# Altium PCB PCB1.pcbdoc (part 4 of 4)
Units mm, origin at the board's own origin, x right, y up, seen from the top; angles counter-clockwise.
Board outline 94.87 x 122.94 mm, 4 copper layers (Top Layer, Inner1, Inner2, Bottom Layer); 129 components, 127 nets, 713 pads, 345 vias.
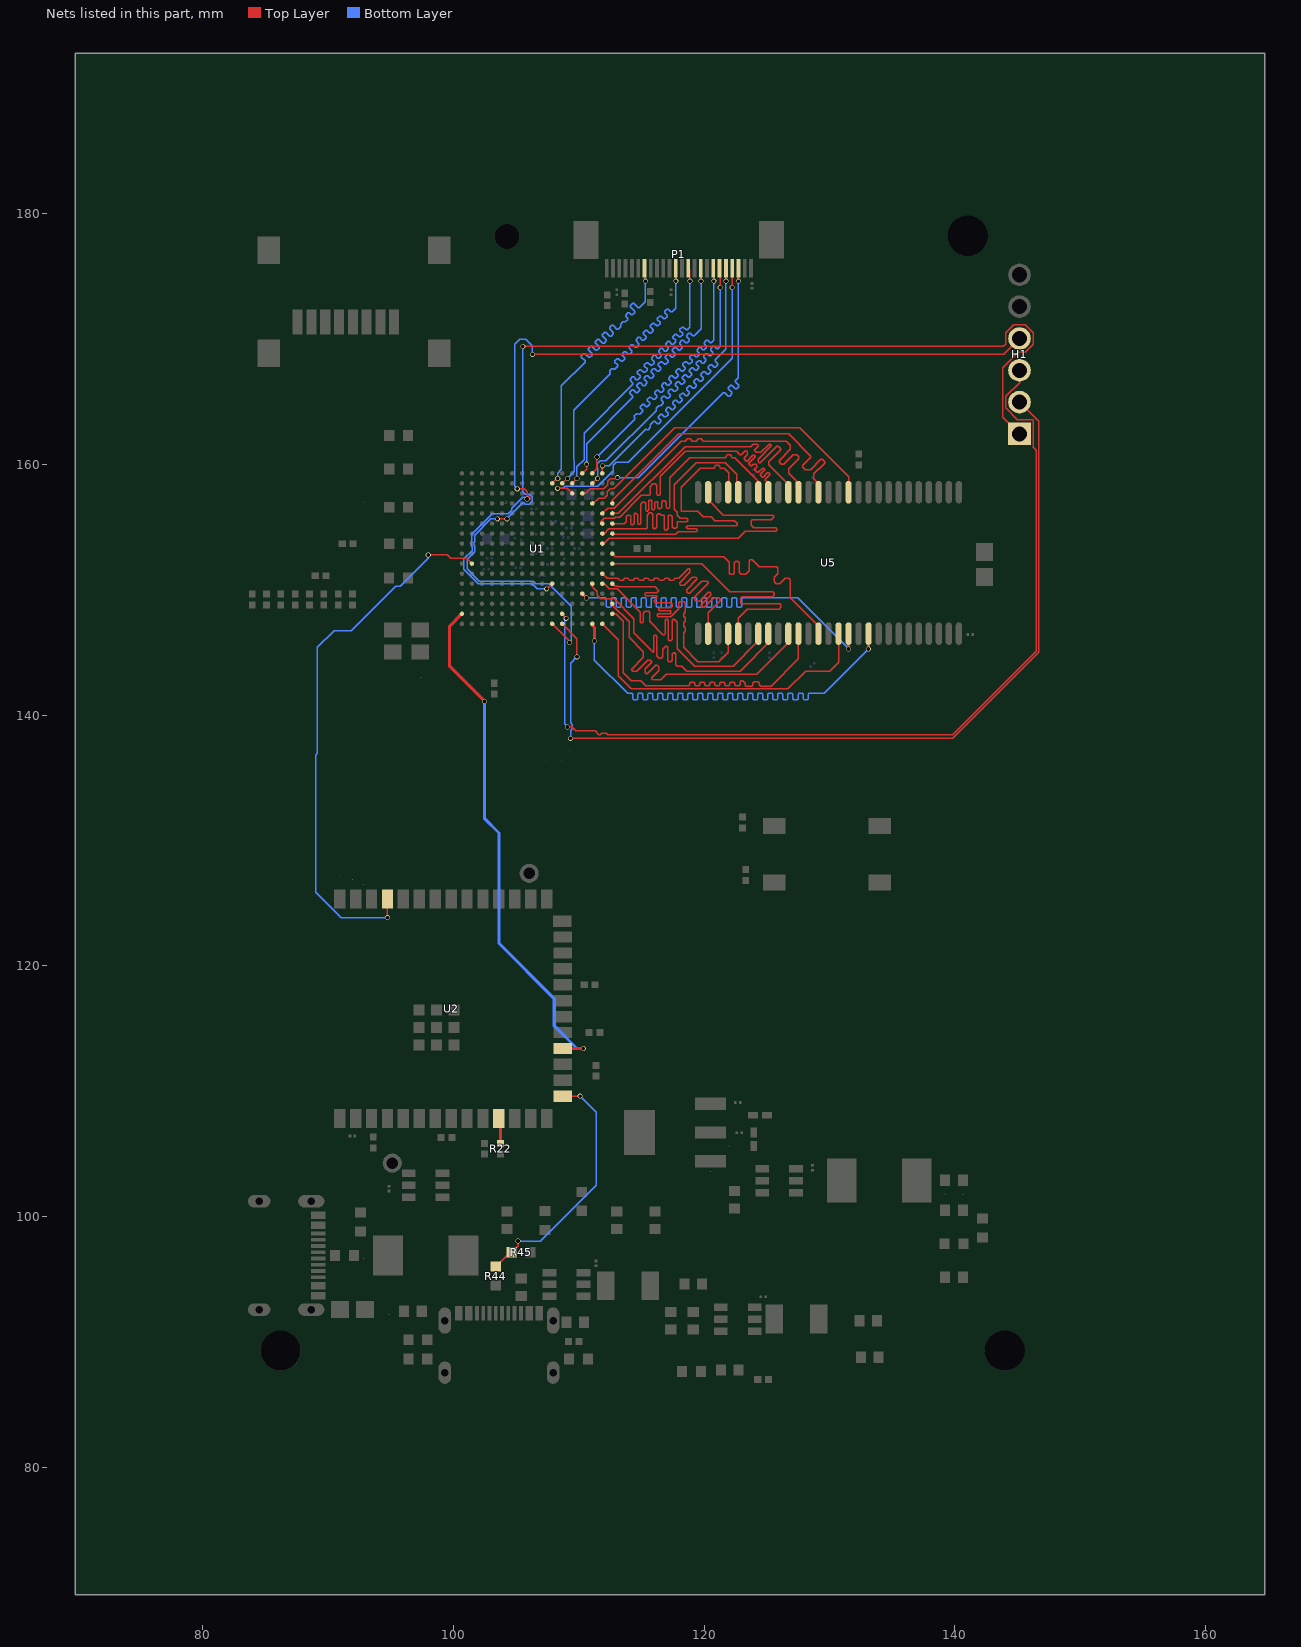
[diagram p6: the nets of this part, all layers, seen from the top]

## Via types
v1: diameter 0.4, hole 0.3, Top Layer to Bottom Layer, 308 vias
v2: diameter 1, hole 0.5, Top Layer to Bottom Layer, 35 vias
v3: diameter 0.5, hole 0.3, Top Layer to Bottom Layer, 2 vias

## Nets (pads, with @x,y where several pads share a name; then routed paths per layer and width w, separated by ;. In a path a pad name is that pad's centre, name@x,y a point inside that pad or via, vN(x,y) a via of type N, cw(c..) or ccw(c..) an arc to the next point about the centre after c; other vN are vias at no path point) (continued)
SD_DQ0: U1.L15 U5.2 | length 25
  Top Layer w0.1: U1.L15@111.88,151.289 112.262,150.907 113.129,150.907 113.2,150.836 113.2,150.82 113.27,150.749 113.529,150.749 113.6,150.82 113.6,150.836 113.67,150.907 113.929,150.907 114,150.836 114,150.82 114.07,150.749 114.329,150.749 114.4,150.82 114.4,150.836 114.47,150.907 114.729,150.907 114.8,150.836 114.8,150.82 114.87,150.749 115.129,150.749 115.2,150.82 115.2,150.836 115.27,150.907 115.529,150.907 115.6,150.836 115.6,150.82 115.67,150.749 115.929,150.749 116,150.82 116,150.836 116.07,150.907 116.329,150.907 116.4,150.836 116.4,150.82 116.47,150.749 116.729,150.749 116.8,150.82 116.8,150.836 116.87,150.907 117.129,150.907 117.2,150.836 117.2,150.82 117.27,150.749 117.529,150.749 117.6,150.82 117.6,150.836 117.67,150.907 117.97,150.907 118.731,151.667 118.843,151.667 118.872,151.638 118.872,151.384 118.049,150.561 118.049,150.429 118.11,150.368 118.411,150.368 119.046,151.003 119.355,151.003 119.426,150.932 119.426,150.832 118.618,150.024 118.618,149.86 118.745,149.733 118.836,149.733 119.795,150.693 120.25,150.693 120.321,150.622 120.321,150.528 119.253,149.46 119.253,149.225 119.38,149.098 119.634,149.098 120.34,149.804 120.452,149.804 120.523,149.733 120.523,149.581 119.761,148.819 119.761,148.717 119.888,148.59 120.015,148.59 120.777,149.352 121.175,149.352 121.295,149.231 121.295,149.131 120.321,148.157 U5.2@120.321,146.631
SD_DQ1: U1.M16 U5.4 | length 25
  Top Layer w0.1: U1.M16@112.68,150.489 112.896,150.273 113.157,150.273 113.195,150.235 116.084,150.235 116.385,149.934 116.214,149.762 115.316,149.762 115.245,149.691 115.245,149.591 115.316,149.521 116.163,149.521 116.205,149.479 116.205,149.34 116.007,149.143 116.007,149.043 116.078,148.972 117.347,148.972 117.454,148.865 117.454,148.696 117.327,148.569 116.459,148.569 116.394,148.504 116.394,148.412 116.459,148.348 117.347,148.348 117.347,148.114 117.33,148.096 116.332,148.096 116.261,148.026 116.261,147.926 116.332,147.855 117.347,147.855 117.983,148.491 117.983,148.971 118.054,149.042 118.42,149.042 118.491,148.971 118.491,148.209 118.364,148.082 118.364,147.878 118.484,147.758 118.484,147.478 118.364,147.358 118.364,147.078 118.484,146.958 118.484,146.678 118.364,146.558 118.364,145.415 119.507,144.272 121.158,144.272 121.921,145.035 U5.4@121.921,146.631
SD_DQ2: U1.K16 U5.5 | length 25.6
  Top Layer w0.1: U1.K16@112.68,152.089 119.818,152.089 122.047,149.86 125.476,149.86 125.603,149.733 125.603,149.606 125.46,149.463 123.028,149.463 122.918,149.352 122.918,148.948 122.978,148.888 126.04,148.888 126.111,148.817 126.111,148.59 125.985,148.464 123.445,148.464 122.704,147.723 122.704,146.902 122.721,146.885 U5.5@122.721,146.631
SD_DQ3: U1.M15 U5.7 | length 24.8
  Top Layer w0.1: U1.M15@111.88,150.489 111.96,150.489 111.974,150.474 112.022,150.474 112.425,150.071 113.073,150.071 114.92,148.224 114.92,147.447 114.99,147.376 115.09,147.376 115.161,147.447 115.161,148.124 115.316,148.279 115.57,148.279 115.67,148.179 115.67,147.474 116.713,146.431 116.84,146.431 116.898,146.489 116.898,147.574 116.969,147.645 117.069,147.645 117.139,147.574 117.139,146.005 117.221,145.923 117.348,145.923 117.472,146.047 117.472,147.574 117.531,147.633 117.614,147.633 117.836,147.411 117.836,145.308 119.253,143.891 122.306,143.891 124.177,145.762 124.177,146.36 124.194,146.377 124.194,146.504 U5.7@124.321,146.631
SD_DQ4: U1.M14 U5.8 | length 25.8
  Top Layer w0.1: U1.M14@111.08,150.489 111.08,150.229 111.462,149.847 111.462,149.567 111.758,149.271 112.838,149.271 114.4,147.709 114.4,146.558 115.958,145 115.99,145.032 115.99,146.304 116.061,146.375 116.161,146.375 116.231,146.304 116.231,144.727 116.432,144.526 116.586,144.526 116.705,144.645 116.705,145.267 116.923,145.486 117.023,145.486 117.094,145.415 117.094,144.372 117.194,144.272 117.348,144.272 117.44,144.364 117.44,144.86 117.558,144.978 117.658,144.978 117.729,144.907 117.729,144.04 117.856,143.913 118.196,143.913 118.599,143.51 122.87,143.51 125.278,145.918 125.278,146.474 U5.8@125.121,146.631
SD_DQ5: U1.P16 U5.10 | length 25.6
  Top Layer w0.1: U1.P16@112.68,148.889 112.68,148.78 114.025,147.435 114.025,146.198 115.159,145.064 115.159,144.61 114.229,143.681 114.229,143.581 114.3,143.51 114.62,143.51 115.509,144.399 115.697,144.399 115.824,144.272 115.824,144.206 115.303,143.686 115.303,143.37 115.374,143.3 115.474,143.3 116.199,144.024 116.368,143.855 116.368,143.533 115.817,142.982 115.817,142.882 115.888,142.811 116.522,142.811 116.967,143.256 124.198,143.256 126.721,145.779 U5.10@126.721,146.631
SD_DQ6: U1.R16 U5.11 | length 25.2
  Top Layer w0.1: U1.R16@112.68,148.089 112.944,148.089 113.538,147.495 113.538,143.383 114.169,142.752 114.931,142.752 115.332,142.351 118.774,142.351 118.844,142.422 118.844,142.55 118.915,142.621 119.174,142.621 119.244,142.55 119.244,142.422 119.315,142.351 119.574,142.351 119.644,142.422 119.644,142.55 119.715,142.621 119.974,142.621 120.044,142.55 120.044,142.422 120.115,142.351 120.374,142.351 120.444,142.422 120.444,142.55 120.515,142.621 120.774,142.621 120.844,142.55 120.844,142.422 120.915,142.351 121.174,142.351 121.244,142.422 121.244,142.55 121.315,142.621 121.574,142.621 121.644,142.55 121.644,142.422 121.715,142.351 121.974,142.351 122.044,142.422 122.044,142.55 122.115,142.621 122.374,142.621 122.444,142.55 122.444,142.422 122.515,142.351 122.792,142.351 122.892,142.451 122.892,142.677 122.963,142.748 123.063,142.748 123.269,142.542 123.269,142.291 123.781,142.291 123.881,142.391 123.881,142.55 124.008,142.677 124.333,142.677 124.404,142.607 124.404,142.421 124.504,142.321 125.335,142.321 127.508,144.494 U5.11@127.508,146.126
SD_DQ7: U1.J16 U5.13 | length 25.2
  Top Layer w0.1: U1.J16@112.68,152.889 112.915,152.654 121.567,152.654 122.003,152.217 122.003,151.315 122.074,151.244 122.315,151.244 122.415,151.344 122.415,152.146 122.552,152.282 122.673,152.282 122.811,152.144 122.811,151.409 122.976,151.244 123.304,151.244 123.587,151.527 123.587,152.289 123.698,152.4 123.841,152.4 124.409,151.832 124.413,151.836 125.786,151.836 125.857,151.765 125.857,151.266 125.603,151.012 125.603,150.638 125.746,150.495 126.043,150.495 126.478,150.931 126.746,150.931 126.875,150.801 126.875,149.367 ; 126.875,149.366 129.121,147.12 U5.13@129.121,146.631
SD_DQ8: U1.D16 U5.42 | length 25.2
  Top Layer w0.1: U1.D16@112.68,156.889 112.68,157.143 117.97,162.433 126.746,162.433 128.524,160.655 128.524,160.574 127.868,159.918 127.868,159.766 128.056,159.578 128.49,159.578 129.313,160.401 129.413,160.401 129.611,160.203 129.611,160.091 129.54,160.02 129.534,160.02 128.757,159.243 128.757,158.877 128.994,158.64 128.994,158.042 U5.42@129.121,157.915
SD_DQ9: U1.E15 U5.44 | length 25
  Top Layer w0.1: U1.E15@111.88,156.089 112.298,156.507 112.838,156.507 118.193,161.862 118.493,161.862 118.563,161.932 118.563,161.981 118.634,162.052 118.893,162.052 118.963,161.981 118.963,161.932 119.034,161.862 119.379,161.862 119.45,161.932 119.45,161.981 119.521,162.052 119.779,162.052 119.85,161.981 119.85,161.932 119.921,161.862 126.555,161.862 126.873,161.544 126.873,161.205 125.984,160.316 125.984,160.208 126.172,160.02 126.365,160.02 127.127,160.782 127.381,160.782 127.55,160.613 127.55,160.471 126.746,159.667 126.746,159.288 127.33,158.704 127.33,158.106 U5.44@127.521,157.915
SD_DQ10: U1.E16 U5.45 | length 25
  Top Layer w0.1: U1.E16@112.68,156.089 113.163,156.089 118.491,161.417 123.708,161.417 123.906,161.615 124.262,161.615 124.333,161.544 124.333,161.458 124,161.125 124.158,160.967 124.531,160.967 125.178,161.615 125.278,161.615 125.349,161.544 125.349,161.477 124.303,160.431 124.303,160.204 124.374,160.133 124.474,160.133 125.807,161.467 125.907,161.467 126.111,161.263 126.111,161.163 125.15,160.202 125.15,159.975 126.373,158.752 126.373,158.747 126.507,158.613 126.507,158.015 126.607,157.915 U5.45@126.721,157.915
SD_DQ11: U1.F15 U5.47 | length 25.1
  Top Layer w0.1: U1.F15@111.88,155.289 111.753,155.416 111.753,155.441 112.019,155.707 112.838,155.707 112.929,155.798 113.253,155.798 114.991,157.536 115.626,157.536 115.697,157.607 115.697,158.242 115.9,158.445 116.105,158.445 116.205,158.345 116.205,157.607 116.276,157.536 116.425,157.536 116.496,157.607 116.496,159.041 118.491,161.036 122.598,161.036 122.858,160.776 122.943,160.776 123.273,161.107 123.373,161.107 123.444,161.036 123.444,160.782 123.19,160.528 123.19,160.444 123.376,160.259 123.429,160.259 123.896,160.726 124.008,160.726 124.079,160.655 124.079,160.61 123.571,160.102 123.571,160.063 123.771,159.864 123.927,160.02 124.143,160.02 124.206,159.957 124.206,159.797 124.048,159.639 124.048,159.586 124.249,159.385 124.333,159.385 124.658,159.71 124.77,159.71 124.841,159.639 124.841,159.59 124.46,159.209 124.46,159.174 124.655,158.979 124.702,158.979 125.051,159.329 125.151,159.329 125.222,159.258 125.222,159.16 124.884,158.822 124.884,158.75 125.121,158.513 U5.47@125.121,157.915
SD_DQ12: U1.F16 U5.48 | length 25.1
  Top Layer w0.1: U1.F16@112.68,155.289 113.633,155.289 113.792,155.448 113.792,155.829 113.919,155.956 114.086,155.956 114.129,155.912 114.129,155.265 114.2,155.194 114.3,155.194 114.408,155.302 114.408,156.064 114.466,156.122 114.554,156.122 114.689,155.987 114.689,155.325 114.764,155.25 114.864,155.25 114.935,155.321 114.935,156.845 115.062,156.972 115.248,156.972 115.329,156.892 115.329,156.337 115.399,156.266 115.468,156.266 115.57,156.369 115.57,157.094 115.633,157.157 115.766,157.157 115.837,157.086 115.837,156.464 115.907,156.393 116.007,156.393 116.078,156.464 116.078,156.972 116.142,157.036 116.268,157.036 116.303,157.001 116.303,156.52 116.374,156.449 116.474,156.449 116.615,156.591 116.615,157.001 116.713,157.099 116.84,157.099 116.967,156.972 116.967,156.591 117.038,156.52 117.206,156.52 117.277,156.591 117.277,158.933 118.872,160.528 121.681,160.528 121.751,160.599 121.751,160.711 121.822,160.782 122.081,160.782 122.151,160.711 122.151,160.599 122.222,160.528 122.428,160.528 124.263,158.693 124.263,158.015 124.321,157.957 U5.48@124.321,157.915
SD_DQ13: U1.G15 U5.50 | length 25.1
  Top Layer w0.1: U1.G15@111.88,154.489 112.021,154.489 112.403,154.871 115.374,154.871 115.443,154.94 115.443,155.956 115.626,156.139 115.768,156.139 115.895,156.012 115.895,154.94 115.965,154.869 116.065,154.869 116.205,155.009 116.205,155.956 116.332,156.083 116.459,156.083 116.586,155.956 116.802,155.956 116.802,154.813 116.873,154.742 116.973,154.742 117.132,154.902 117.132,155.899 117.189,155.956 117.348,155.956 117.475,155.829 117.475,155.013 117.575,154.913 117.756,154.913 117.856,155.013 117.856,155.406 117.898,155.448 118.618,155.448 118.689,155.519 118.689,155.619 118.61,155.697 118.115,155.697 117.856,155.956 117.856,156.197 117.614,156.44 117.614,158.387 119.374,160.147 121.666,160.147 122.603,159.21 122.603,158.034 U5.50@122.721,157.915
SD_DQ14: U1.G16 U5.51 | length 25
  Top Layer w0.1: U1.G16@112.68,154.489 112.743,154.425 117.722,154.425 117.916,154.619 119.38,154.619 119.451,154.69 119.451,154.79 119.38,154.86 118.698,154.86 118.585,154.973 118.585,155.034 118.68,155.129 122.555,155.129 122.626,155.199 122.626,155.299 122.406,155.519 120.86,155.519 120.55,155.829 119.926,155.829 119.507,156.248 118.157,156.248 118.157,158.162 119.697,159.702 120.761,159.702 120.832,159.773 120.832,159.847 120.902,159.918 121.161,159.918 121.232,159.847 121.232,159.773 121.303,159.702 121.602,159.702 121.967,159.338 121.967,158.25 U5.51@121.985,158.233
SD_DQ15: U1.H15 U5.53 | length 25.3
  Top Layer w0.1: U1.H15@111.88,153.689 112.007,153.689 112.425,154.107 122.711,154.107 123.268,154.664 125.696,154.664 125.801,154.769 125.801,154.869 125.73,154.94 123.952,154.94 123.754,155.138 123.754,155.504 123.825,155.575 125.336,155.575 125.547,155.785 125.547,155.885 125.476,155.956 121.539,155.956 120.448,157.047 U5.53@120.448,157.788
SD_DQM0: U1.T15 U5.15 | length 25.8
  Top Layer w0.1: U1.T15@111.88,147.289 113.157,146.012 113.157,143.129 114.195,142.091 126.69,142.091 128.109,143.51 130.008,143.51 130.721,144.223 U5.15@130.721,146.504
SD_DQM1: U1.D14 U5.39 | length 25.9
  Top Layer w0.1: U1.D14@111.08,156.889 111.169,156.889 111.587,157.307 112.038,157.307 112.262,157.531 112.262,157.811 112.522,158.071 112.802,158.071 117.672,162.941 127.619,162.941 131.53,159.031 131.53,158.042 U5.39@131.403,157.915
SD_RAS_N: U1.T14 U5.18 | length 43.8
  Top Layer w0.254: U1.T14@111.125,147.123 111.252,146.996 v1(111.252,145.923) ; v1(133.096,145.288) 133.121,145.313 U5.18@133.121,146.504
  Bottom Layer w0.1: v1(111.252,145.923) 111.252,144.399 113.919,141.732 114.219,141.732 114.29,141.661 114.29,141.295 114.36,141.224 114.619,141.224 114.69,141.295 114.69,141.661 114.76,141.732 115.019,141.732 115.09,141.661 115.09,141.295 115.16,141.224 115.419,141.224 115.49,141.295 115.49,141.661 115.56,141.732 115.819,141.732 115.89,141.661 115.89,141.295 115.96,141.224 116.219,141.224 116.29,141.295 116.29,141.661 116.36,141.732 116.619,141.732 116.69,141.661 116.69,141.295 116.76,141.224 117.019,141.224 117.09,141.295 117.09,141.661 117.16,141.732 117.419,141.732 117.49,141.661 117.49,141.295 117.56,141.224 117.819,141.224 117.89,141.295 117.89,141.661 117.96,141.732 118.219,141.732 118.29,141.661 118.29,141.295 118.36,141.224 118.619,141.224 118.69,141.295 118.69,141.661 118.76,141.732 119.019,141.732 119.09,141.661 119.09,141.295 119.16,141.224 119.419,141.224 119.49,141.295 119.49,141.661 119.56,141.732 119.819,141.732 119.89,141.661 119.89,141.295 119.96,141.224 120.219,141.224 120.29,141.295 120.29,141.661 120.36,141.732 120.619,141.732 120.69,141.661 120.69,141.295 120.76,141.224 121.019,141.224 121.09,141.295 121.09,141.661 121.16,141.732 121.419,141.732 121.49,141.661 121.49,141.295 121.56,141.224 121.819,141.224 121.89,141.295 121.89,141.661 121.96,141.732 122.219,141.732 122.29,141.661 122.29,141.295 122.36,141.224 122.619,141.224 122.69,141.295 122.69,141.661 122.76,141.732 123.019,141.732 123.09,141.661 123.09,141.295 123.16,141.224 123.419,141.224 123.49,141.295 123.49,141.661 123.56,141.732 123.819,141.732 123.89,141.661 123.89,141.295 123.96,141.224 124.219,141.224 124.29,141.295 124.29,141.661 124.36,141.732 124.619,141.732 124.69,141.661 124.69,141.295 124.76,141.224 125.019,141.224 125.09,141.295 125.09,141.661 125.16,141.732 125.419,141.732 125.49,141.661 125.49,141.295 125.56,141.224 125.819,141.224 125.89,141.295 125.89,141.661 125.96,141.732 126.219,141.732 126.29,141.661 126.29,141.295 126.36,141.224 126.619,141.224 126.69,141.295 126.69,141.661 126.76,141.732 127.019,141.732 127.09,141.661 127.09,141.295 127.16,141.224 127.419,141.224 127.49,141.295 127.49,141.661 127.56,141.732 127.819,141.732 127.89,141.661 127.89,141.295 127.96,141.224 128.219,141.224 128.29,141.295 128.29,141.661 128.36,141.732 129.588,141.732 133.096,145.24 v1(133.096,145.288)
SD_WE_N: U1.N13 U5.16 | length 43.3
  Top Layer w0.254: U1.N13@110.28,149.689 v1(110.617,149.352) ; v1(131.521,145.288) U5.16@131.521,146.504
  Bottom Layer w0.1: v1(110.617,149.352) 112.125,149.352 112.196,149.281 112.196,148.661 112.267,148.59 112.525,148.59 112.596,148.661 112.596,149.281 112.667,149.352 112.925,149.352 112.996,149.281 112.996,148.661 113.067,148.59 113.325,148.59 113.396,148.661 113.396,149.281 113.467,149.352 113.725,149.352 113.796,149.281 113.796,148.661 113.867,148.59 114.125,148.59 114.196,148.661 114.196,149.281 114.267,149.352 114.525,149.352 114.596,149.281 114.596,148.661 114.667,148.59 114.925,148.59 114.996,148.661 114.996,149.281 115.067,149.352 115.325,149.352 115.396,149.281 115.396,148.661 115.467,148.59 115.725,148.59 115.796,148.661 115.796,149.281 115.867,149.352 116.125,149.352 116.196,149.281 116.196,148.661 116.267,148.59 116.525,148.59 116.596,148.661 116.596,149.281 116.667,149.352 116.925,149.352 116.996,149.281 116.996,148.661 117.067,148.59 117.325,148.59 117.396,148.661 117.396,149.281 117.467,149.352 117.725,149.352 117.796,149.281 117.796,148.661 117.867,148.59 118.125,148.59 118.196,148.661 118.196,149.281 118.267,149.352 118.525,149.352 118.596,149.281 118.596,148.661 118.667,148.59 118.925,148.59 118.996,148.661 118.996,149.281 119.067,149.352 119.325,149.352 119.396,149.281 119.396,148.661 119.467,148.59 119.725,148.59 119.796,148.661 119.796,149.281 119.867,149.352 120.125,149.352 120.196,149.281 120.196,148.661 120.267,148.59 120.525,148.59 120.596,148.661 120.596,149.281 120.667,149.352 120.925,149.352 120.996,149.281 120.996,148.661 121.067,148.59 121.325,148.59 121.396,148.661 121.396,149.281 121.467,149.352 121.725,149.352 121.796,149.281 121.796,148.661 121.867,148.59 122.125,148.59 122.196,148.661 122.196,149.281 122.267,149.352 122.525,149.352 122.596,149.281 122.596,148.661 122.667,148.59 122.925,148.59 122.996,148.661 122.996,149.281 123.067,149.352 127.457,149.352 v1(131.521,145.288)
SDA: R22.1 U2.11 | length 1.9
  Top Layer w0.254: R22.1@103.754,105.918 U2.11@103.754,107.836
SSPI_CS_N: U1.R1 U2.18 | length 41.3
  Top Layer w0.254: U1.R1@100.68,148.089 99.695,147.104 99.695,143.891 v1(102.489,141.097) ; U2.18@108.844,113.411 v1(110.363,113.411)
  Bottom Layer w0.254: v1(102.489,141.097) 102.489,131.743 103.632,130.6 103.632,121.793 108.05,117.375 108.05,115.216 109.855,113.411 v1(110.363,113.411)
TCK: H1.1 U1.T10 | length 88.4
  Top Layer w0.1: v1(103.501,155.661) 103.712,155.661 103.722,155.671 104.038,155.671 104.048,155.661 104.226,155.661 v1@104.267,155.702 ; v1(105.537,169.418) 143.875,169.418 144.059,169.602 144.059,170.509 144.705,171.155 145.617,171.155 146.263,170.509 146.263,169.597 145.617,168.951 145.041,168.951 143.808,167.719 143.808,163.786 H1.1@145.161,162.433 ; U1.T10@107.88,147.289 109.264,145.905 v1(109.264,145.796)
  Bottom Layer w0.1: v1(103.501,155.661) 102.985,155.661 101.682,154.358 101.682,153.802 101.633,153.752 101.633,153.6 101.694,153.538 101.694,153.04 101.092,152.438 101.092,151.667 102.064,150.695 106.363,150.695 106.576,150.481 107.609,150.481 109.395,148.695 109.395,145.927 v1(109.264,145.796) ; v1(104.267,155.661) 105.537,156.931 105.622,156.931 105.714,156.839 106.047,156.839 106.282,157.075 106.282,157.408 106.047,157.643 105.714,157.643 105.537,157.82 v1(105.537,169.418)
TDI: H1.3 U1.R11 | length 74.5
  Top Layer w0.1: U1.R11@108.68,148.089 108.68,148.041 v1(108.993,147.728) ; v1(109.093,139.065) 109.421,139.065 109.748,138.738 111.298,138.738 111.606,138.43 111.72,138.43 111.847,138.557 112.181,138.557 112.308,138.43 139.827,138.43 146.485,145.088 146.485,161.153 146.272,161.366 146.272,163.579 144.996,163.579 144.059,164.517 144.059,165.429 145.161,166.531 H1.3@145.161,167.513
  Bottom Layer w0.1: v1(108.993,147.728) 108.862,147.597 108.862,139.296 v1(109.093,139.065)
TDO: H1.4 U1.M10 | length 72.1
  Top Layer w0.1: v1(105.092,158.054) 105.304,158.054 105.322,158.071 105.638,158.071 105.898,157.811 105.898,157.531 106.122,157.307 106.122,157.271 106.092,157.241 v1(105.88,157.241) ; v1(106.299,168.783) 143.891,168.783 H1.4@145.161,170.053 ; v1(107.442,150.079) 107.47,150.079 U1.M10@107.88,150.489
  Bottom Layer w0.1: v1(105.092,158.054) 104.881,158.265 104.881,169.601 105.281,170.001 105.762,170.001 106.299,169.464 v1(106.299,168.783) ; v1(105.88,157.241) 105.753,157.368 105.524,157.368 104.669,156.514 104.669,156.357 104.375,156.063 103.104,156.063 101.482,154.441 101.482,153.884 101.433,153.835 101.433,153.517 101.494,153.456 101.494,153.122 100.838,152.466 100.838,151.638 101.981,150.495 106.28,150.495 106.695,150.079 v1(107.442,150.079)
TMS: H1.2 U1.T11 | length 70.7
  Top Layer w0.1: U1.T11@108.68,147.289 109.855,146.114 v1(109.855,144.653) ; v1(109.347,138.155) 139.835,138.155 146.685,145.005 146.685,163.449 H1.2@145.161,164.973
  Bottom Layer w0.1: v1(109.347,138.155) 109.347,138.75 109.495,138.898 109.495,139.232 109.347,139.38 109.347,144.145 v1(109.855,144.653)
TX: U1.K2 U2.37 | length 43.6
  Top Layer w0.1: v1@94.737,123.825 U2.37@94.737,125.336 ; v1@97.917,152.781 99.507,152.781 99.782,152.506 101.061,152.506 ; 101.062,152.507 U1.K2@101.48,152.089
  Bottom Layer w0.1: v1(94.737,123.846) 91.038,123.846 89.004,125.88 89.004,136.809 89.154,136.959 89.154,145.415 90.478,146.739 91.85,146.739 95.385,150.274 95.753,150.274 97.992,152.513 v1(97.992,152.781)
USB_VBUS: R44.1 R45.2 U2.15 | length 19.9
  Top Layer w0.1: R44.1@103.378,96.003 104.53,97.155 R45.2@104.657,97.155 105.156,97.654 v1(105.156,98.044) ; U2.15@108.717,109.601 v1(110.109,109.601)
  Bottom Layer w0.1: v1(105.156,98.044) 106.934,98.044 111.379,102.489 111.379,108.331 v1(110.109,109.601)
VSYNC: P1.7 U1.B10 | length 27.1
  Top Layer w0.1: U1.B10@107.88,158.489 108.276,158.885 v1(108.323,158.885) ; P1.7@115.237,175.655 115.316,175.577 v1(115.316,174.625)
  Bottom Layer w0.1: v1(108.323,158.885) 108.323,159.317 108.606,159.599 108.606,166.264 110.501,168.159 110.501,168.259 110.192,168.568 110.192,168.668 110.375,168.851 110.475,168.851 110.784,168.542 110.884,168.542 111.067,168.725 111.067,168.825 110.758,169.134 110.758,169.234 110.94,169.417 111.04,169.417 111.35,169.108 111.45,169.108 111.632,169.29 111.632,169.39 111.323,169.7 111.323,169.8 111.506,169.982 111.606,169.982 111.915,169.673 112.015,169.673 112.198,169.856 112.198,169.956 111.889,170.265 111.889,170.365 112.072,170.548 112.172,170.548 112.481,170.239 112.581,170.239 112.764,170.422 112.764,170.522 112.455,170.831 112.455,170.931 112.638,171.114 112.738,171.114 113.047,170.805 113.147,170.805 113.333,170.991 113.333,171.184 113.52,171.37 113.712,171.37 113.895,171.553 113.895,171.653 113.729,171.819 113.729,171.919 113.912,172.102 114.012,172.102 114.178,171.936 114.278,171.936 114.461,172.119 114.461,172.219 114.116,172.563 114.116,172.663 114.299,172.846 114.399,172.846 114.744,172.502 114.844,172.502 115.316,172.974 v1(115.316,174.625)
Y2: P1.19 U1.B14 | length 27
  Top Layer w0.1: U1.B14@111.08,158.489 111.468,158.877 v1(111.506,158.877) ; P1.19@121.237,175.655 121.285,175.607 v1(121.285,174.117)
  Bottom Layer w0.1: v1(111.506,158.877) 111.506,159.705 111.485,159.726 111.485,160.06 111.72,160.295 112.162,160.295 116.166,164.299 116.166,164.465 116.367,164.665 116.532,164.665 116.748,164.881 116.748,164.981 116.56,165.169 116.56,165.269 116.742,165.451 116.842,165.451 117.03,165.263 117.13,165.263 117.313,165.446 117.313,165.546 117.125,165.734 117.125,165.834 117.308,166.017 117.408,166.017 117.596,165.829 117.696,165.829 117.879,166.012 117.879,166.112 117.691,166.3 117.691,166.4 117.874,166.583 117.974,166.583 118.162,166.395 118.262,166.395 118.445,166.578 118.445,166.678 118.257,166.866 118.257,166.966 118.44,167.148 118.54,167.148 118.728,166.961 118.828,166.961 119.01,167.143 119.01,167.243 118.822,167.431 118.822,167.531 119.005,167.714 119.105,167.714 119.293,167.526 119.393,167.526 119.576,167.709 119.576,167.809 119.388,167.997 119.388,168.097 119.571,168.28 119.671,168.28 119.859,168.092 119.959,168.092 120.142,168.275 120.142,168.375 119.954,168.563 119.954,168.663 120.137,168.846 120.237,168.846 120.425,168.658 120.525,168.658 120.707,168.84 120.707,168.94 120.519,169.128 120.519,169.228 120.702,169.411 120.802,169.411 120.99,169.223 121.09,169.223 121.285,169.418 v1(121.285,174.117)
Y3: P1.21 U1.C12 | length 27
  Top Layer w0.1: v1(108.317,158.1) 109.069,158.1 U1.C12@109.48,157.689 ; v1(122.239,174.117) P1.21@122.239,175.652
  Bottom Layer w0.1: v1(108.317,158.1) 108.766,158.1 108.925,158.259 111.523,158.259 112.755,159.491 112.755,159.933 112.99,160.168 113.94,160.168 122.239,168.467 v1(122.239,174.117)
Y4: P1.22 U1.C13 | length 27
  Top Layer w0.1: U1.C13@110.28,157.689 110.54,157.689 110.922,158.071 112.002,158.071 112.298,158.367 112.298,158.647 112.522,158.871 113.014,158.871 v1(113.089,158.945) ; v1(122.739,174.625) P1.22@122.739,175.652
  Bottom Layer w0.1: v1(113.089,158.945) 114.749,158.945 121.544,165.74 121.644,165.74 121.925,165.459 122.025,165.459 122.208,165.642 122.208,165.742 121.927,166.023 121.927,166.123 122.11,166.306 122.21,166.306 122.491,166.025 122.591,166.025 122.774,166.208 122.774,166.308 122.493,166.589 122.493,166.689 122.739,166.935 v1(122.739,174.625)
Y5: P1.20 U1.A15 | length 27
  Top Layer w0.1: U1.A15@111.88,159.289 111.887,159.296 v1(111.887,159.893) ; v1(121.739,174.625) P1.20@121.739,175.652
  Bottom Layer w0.1: v1(111.887,159.893) 112.433,159.893 115.33,162.791 115.43,162.791 115.438,162.782 115.538,162.782 115.721,162.965 115.721,163.065 115.713,163.074 115.713,163.174 115.973,163.434 116.073,163.434 116.272,163.235 116.372,163.235 116.555,163.418 116.555,163.518 116.356,163.717 116.356,163.817 116.539,163.999 116.639,163.999 116.838,163.801 116.938,163.801 117.121,163.984 117.121,164.084 116.922,164.282 116.922,164.382 117.105,164.565 117.205,164.565 117.403,164.366 117.503,164.366 117.686,164.549 117.686,164.649 117.488,164.848 117.488,164.948 117.67,165.131 117.77,165.131 117.969,164.932 118.069,164.932 118.252,165.115 118.252,165.215 118.053,165.414 118.053,165.514 118.236,165.696 118.336,165.696 118.535,165.498 118.635,165.498 118.818,165.681 118.818,165.781 118.619,165.979 118.619,166.079 118.802,166.262 118.902,166.262 119.1,166.063 119.2,166.063 119.383,166.246 119.383,166.346 119.185,166.545 119.185,166.645 119.367,166.828 119.467,166.828 119.666,166.629 119.766,166.629 119.949,166.812 119.949,166.912 119.75,167.111 119.75,167.211 119.933,167.393 120.033,167.393 120.232,167.195 120.332,167.195 120.515,167.378 120.515,167.478 120.316,167.676 120.316,167.776 120.499,167.959 120.599,167.959 120.797,167.76 120.897,167.76 121.08,167.943 121.08,168.043 120.882,168.242 120.882,168.342 121.739,169.199 v1(121.739,174.625)
Y6: P1.18 U1.A14 | length 27.1
  Top Layer w0.1: U1.A14@111.08,159.289 111.445,159.654 v1(111.445,160.589) ; P1.18@120.737,175.655 120.777,175.615 v1(120.777,174.625)
  Bottom Layer w0.1: v1(111.445,160.589) 114.484,163.627 114.484,163.727 114.438,163.772 114.438,163.872 114.621,164.055 114.721,164.055 114.767,164.01 114.867,164.01 115.096,164.239 115.096,164.339 114.91,164.524 114.91,164.624 115.093,164.807 115.193,164.807 115.378,164.621 115.478,164.621 115.661,164.804 115.661,164.904 115.476,165.09 115.476,165.19 115.659,165.372 115.759,165.372 115.944,165.187 116.044,165.187 116.227,165.37 116.227,165.47 116.042,165.655 116.042,165.755 116.224,165.938 116.324,165.938 116.51,165.753 116.61,165.753 116.793,165.936 116.793,166.036 116.607,166.221 116.607,166.321 116.79,166.504 116.89,166.504 117.075,166.318 117.175,166.318 117.358,166.501 117.358,166.601 117.173,166.787 117.173,166.887 117.356,167.07 117.456,167.07 117.641,166.884 117.741,166.884 117.924,167.067 117.924,167.167 117.739,167.352 117.739,167.452 117.921,167.635 118.021,167.635 118.207,167.45 118.307,167.45 118.49,167.633 118.49,167.733 118.304,167.918 118.304,168.018 118.487,168.201 118.587,168.201 118.772,168.016 118.872,168.016 119.055,168.198 119.055,168.298 118.87,168.484 118.87,168.584 119.053,168.767 119.153,168.767 119.338,168.581 119.438,168.581 119.621,168.764 119.621,168.864 119.436,169.049 119.436,169.149 119.619,169.332 119.719,169.332 119.904,169.147 120.004,169.147 120.187,169.33 120.187,169.43 120.001,169.615 120.001,169.715 120.184,169.898 120.284,169.898 120.47,169.713 120.57,169.713 120.777,169.92 v1(120.777,174.625)
Y7: P1.16 U1.A13 | length 26.9
  Top Layer w0.1: U1.A13@110.28,159.289 110.617,159.626 v1(110.617,160.02) ; P1.16@119.737,175.654 119.761,175.63 v1(119.761,174.625)
  Bottom Layer w0.1: v1(110.617,160.02) 110.617,161.671 114.295,165.349 114.295,165.449 114.078,165.667 114.078,165.767 114.26,165.949 114.36,165.949 114.578,165.732 114.678,165.732 114.861,165.915 114.861,166.015 114.643,166.232 114.643,166.332 114.826,166.515 114.926,166.515 115.144,166.298 115.244,166.298 115.426,166.48 115.426,166.58 115.209,166.798 115.209,166.898 115.392,167.081 115.492,167.081 115.709,166.863 115.809,166.863 115.992,167.046 115.992,167.146 115.775,167.364 115.775,167.464 115.957,167.646 116.057,167.646 116.275,167.429 116.375,167.429 116.558,167.612 116.558,167.712 116.34,167.929 116.34,168.029 116.523,168.212 116.623,168.212 116.841,167.995 116.941,167.995 117.123,168.177 117.123,168.277 116.906,168.495 116.906,168.595 117.089,168.778 117.189,168.778 117.406,168.56 117.506,168.56 117.689,168.743 117.689,168.843 117.472,169.061 117.472,169.161 117.654,169.343 117.754,169.343 117.972,169.126 118.072,169.126 118.255,169.309 118.255,169.409 118.037,169.626 118.037,169.726 118.22,169.909 118.32,169.909 118.538,169.692 118.638,169.692 118.82,169.874 118.82,169.974 118.603,170.192 118.603,170.292 118.786,170.475 118.886,170.475 119.103,170.257 119.203,170.257 119.761,170.815 v1(119.761,174.625)
Y8: P1.14 U1.B12 | length 27
  Top Layer w0.1: U1.B12@109.48,158.489 109.855,158.864 v1(109.855,158.877) ; P1.14@118.738,175.655 118.868,175.524 v1(118.868,174.621)
  Bottom Layer w0.1: v1(109.855,158.877) 109.855,159.827 110.417,160.389 110.417,162.487 114.315,166.385 114.315,166.485 114.097,166.702 114.097,166.802 114.28,166.985 114.38,166.985 114.598,166.768 114.698,166.768 114.891,166.961 114.891,167.061 114.674,167.279 114.674,167.379 114.857,167.562 114.957,167.562 115.174,167.344 115.274,167.344 115.457,167.527 115.457,167.627 115.239,167.844 115.239,167.944 115.422,168.127 115.522,168.127 115.74,167.91 115.84,167.91 116.023,168.093 116.023,168.193 115.805,168.41 115.805,168.51 115.988,168.693 116.088,168.693 116.305,168.475 116.405,168.475 116.588,168.658 116.588,168.758 116.371,168.976 116.371,169.076 116.554,169.259 116.654,169.259 116.871,169.041 116.971,169.041 117.154,169.224 117.154,169.324 116.936,169.541 116.936,169.641 117.119,169.824 117.219,169.824 117.437,169.607 117.537,169.607 117.72,169.79 117.72,169.89 117.502,170.107 117.502,170.207 117.685,170.39 117.785,170.39 118.003,170.173 118.103,170.173 118.285,170.355 118.285,170.455 118.068,170.673 118.068,170.773 118.251,170.956 118.351,170.956 118.568,170.738 118.668,170.738 118.868,170.938 v1(118.868,174.621)
Y9: P1.12 U1.B11 | length 27
  Top Layer w0.1: U1.B11@108.68,158.489 109.068,158.877 v1(109.093,158.877) ; v1(117.738,174.625) P1.12@117.738,175.655
  Bottom Layer w0.1: v1(109.093,158.877) 109.655,159.439 109.655,160.286 109.58,160.361 109.58,164.317 112.492,167.229 112.492,167.329 112.465,167.356 112.465,167.456 112.648,167.639 112.748,167.639 112.775,167.612 112.875,167.612 113.101,167.838 113.101,167.938 112.884,168.156 112.884,168.256 113.067,168.439 113.167,168.439 113.384,168.221 113.484,168.221 113.667,168.404 113.667,168.504 113.449,168.721 113.449,168.821 113.632,169.004 113.732,169.004 113.95,168.787 114.05,168.787 114.233,168.97 114.233,169.07 114.015,169.287 114.015,169.387 114.198,169.57 114.298,169.57 114.516,169.353 114.616,169.353 114.798,169.535 114.798,169.635 114.581,169.853 114.581,169.953 114.764,170.136 114.864,170.136 115.081,169.918 115.181,169.918 115.364,170.101 115.364,170.201 115.147,170.419 115.147,170.519 115.329,170.701 115.429,170.701 115.647,170.484 115.747,170.484 115.93,170.667 115.93,170.767 115.712,170.984 115.712,171.084 115.895,171.267 115.995,171.267 116.213,171.05 116.313,171.05 116.495,171.232 116.495,171.332 116.278,171.55 116.278,171.65 116.461,171.833 116.561,171.833 116.778,171.615 116.878,171.615 117.061,171.798 117.061,171.898 116.844,172.116 116.844,172.216 117.026,172.398 117.126,172.398 117.344,172.181 117.444,172.181 117.738,172.475 v1(117.738,174.625)
pads on no net: P1.1 P1.10 SCREW1.1 SCREW2.1 SCREW3.1 SCREW4.1 U1.A9 U1.B3 U1.B8 U1.B13 U1.B15 U1.B16 U1.C1 U1.C2 U1.C3 U1.C4 U1.C5 U1.C6 U1.C9 U1.C10 U1.C11 U1.C14 U1.C15 U1.C16 U1.D1 U1.D3 U1.D4 U1.D5 U1.D6 U1.D7 U1.D8 U1.D9 U1.D10 U1.D11 U1.D12 U1.D13 U1.E3 U1.E4 U1.E5 U1.E6 U1.E7 U1.E8 U1.E9 U1.E10 U1.E11 U1.E12 U1.E13 U1.E14 U1.F3 U1.F4 U1.F5 U1.F12 U1.F13 U1.F14 U1.G3 U1.G4 U1.G5 U1.G12 U1.G13 U1.G14 U1.H2 U1.H3 U1.H4 U1.H5 U1.H12 U1.H13 U1.H14 U1.J3 U1.J4 U1.J5 U1.J12 U1.J13 U1.K3 U1.K4 U1.K5 U1.K13 U1.K14 U1.K15 U1.L1 U1.L2 U1.L3 U1.L4 U1.L5 U1.L13 U1.L14 U1.L16 U1.M2 U1.M3 U1.M4 U1.M5 U1.M6 U1.M7 U1.M9 U1.M11 U1.M12 U1.M13 U1.N1 U1.N3 U1.N4 U1.N5 U1.N6 U1.N7 U1.N8 U1.N9 U1.N11 U1.N12 U1.N14 U1.N16 U1.P1 U1.P2 U1.P3 U1.P4 U1.P5 U1.P6 U1.P7 U1.P8 U1.P11 U1.P12 U1.P13 U1.P14 U1.P15 U1.R2 U1.R3 U1.R4 U1.R5 U1.R6 U1.R7 U1.R8 U1.R12 U1.R14 U1.T13 U2.4 U2.16 U2.26 U2.28 U2.29 U2.30 U2.32 U2.33 U2.34 U2.35 U2.38 U2.39 U5.40 U8.4 USB1.A6 USB1.A7 USB1.A8 USB1.B6 USB1.B7 USB1.B8 USB2.A8 USB2.B6 USB2.B7 USB2.B8
copper on no net: | length 14.9
  Top Layer w0.1: 91.948,126.873 92.197,126.624 92.197,125.336 ; 92.837,126.492 93.467,125.862 93.467,125.336 ; 94.737,107.836 94.966,107.607 v1(94.966,106.202) ; 103.627,125.336 103.627,125.971 105.164,127.508 105.791,127.508 106.045,127.254 ; v1(108.332,148.589) 108.381,148.59 108.68,148.889
  Top Layer w0.254: v1(99.822,148.921) 100.648,148.921 100.68,148.889 ; v1(101.077,149.334) 101.48,148.93 101.48,148.889 ; v1(101.875,149.246) 101.875,149.284 102.28,149.689 ; v1(102.632,148.489) 102.68,148.489 103.08,148.889 ; v1(102.743,149.352) 103.08,149.689
  Bottom Layer w0.1: v1(94.966,106.202) 95.123,106.045 95.123,104.267 ; v1(108.332,148.589) 108.712,148.209 108.712,148.082

## Polygon pours and split planes (outlines as drawn)
+3V3 on Inner2 (solid, remove dead copper): 76.2,185.674 158.369,185.674 158.369,76.2 76.2,76.2
GND on Inner1 (solid, remove dead copper): 77.724,186.436 152.781,186.436 152.781,82.296 77.724,82.296

## Keep-outs
Board Outline Layer:
  lines w0.254: 83.058,86.229 147.058,86.229 147.058,181.229 83.058,181.229 83.058,86.229

## Other copper
Top Layer:
  drawing of 759 lines, arcs and shapes, not listed
Inner2:
  region net +2V5: 113.901,150.822 114.608,151.529 ccw(c146.437,183.357) 115.687,150.486 114.944,149.743 ccw(c82.073,118.993)
  region net +1V8: 109.353,157.325 113.339,157.248 118.08,154.57 cw(c123.53,160.02) 115.924,158.777 113.599,157.853 110.581,157.825
  region net +1V8: 112.657,157.325 112.657,157.825 ccw(c112.657,162.875) 113.657,157.925 113.657,157.225 ccw(c112.657,152.275)
  region net +1V8: 111.979,157.325 111.979,157.825 ccw(c111.979,162.054) 113.479,158.1 113.479,157.05 ccw(c111.979,153.097)
  region net +1V1: 100.832,152.593 cw(c85.838,167.587) 98.844,150.839 99.644,150.439
  region net +1V1: 104.328,151.99 105.128,151.99 ccw(c106.554,151.99) 105.265,151.379 104.217,151.313 ccw(c102.195,151.99)
  region net +1V1: 96.579,141.339 cw(c96.579,143.732) 94.359,142.839 93.609,140.564 94.359,138.339 cw(c96.579,137.446) 96.579,139.839
Bottom Layer:
  drawing of 171 lines, arcs and shapes, not listed

## Silkscreen, mask and mechanical layers (free items; w line width, h text height)
Top Silkscreen Layer:
  text "JTAG" at 143.277,166.326 h3.05 r90